# Altium PCB Spektrop2_Processor_Board_V1.PcbDoc (part 5 of 5)
Units mm, origin at the board's own origin, x right, y up, seen from the top; angles counter-clockwise.
Board outline 42 x 42 mm, 8 copper layers (TOP, L1-GND, L2, L3-1V8, L4-PWR, L5, L6-P2V5, BTM), stack 1.588 mm thick; 270 components, 225 nets, 1404 pads, 753 vias.
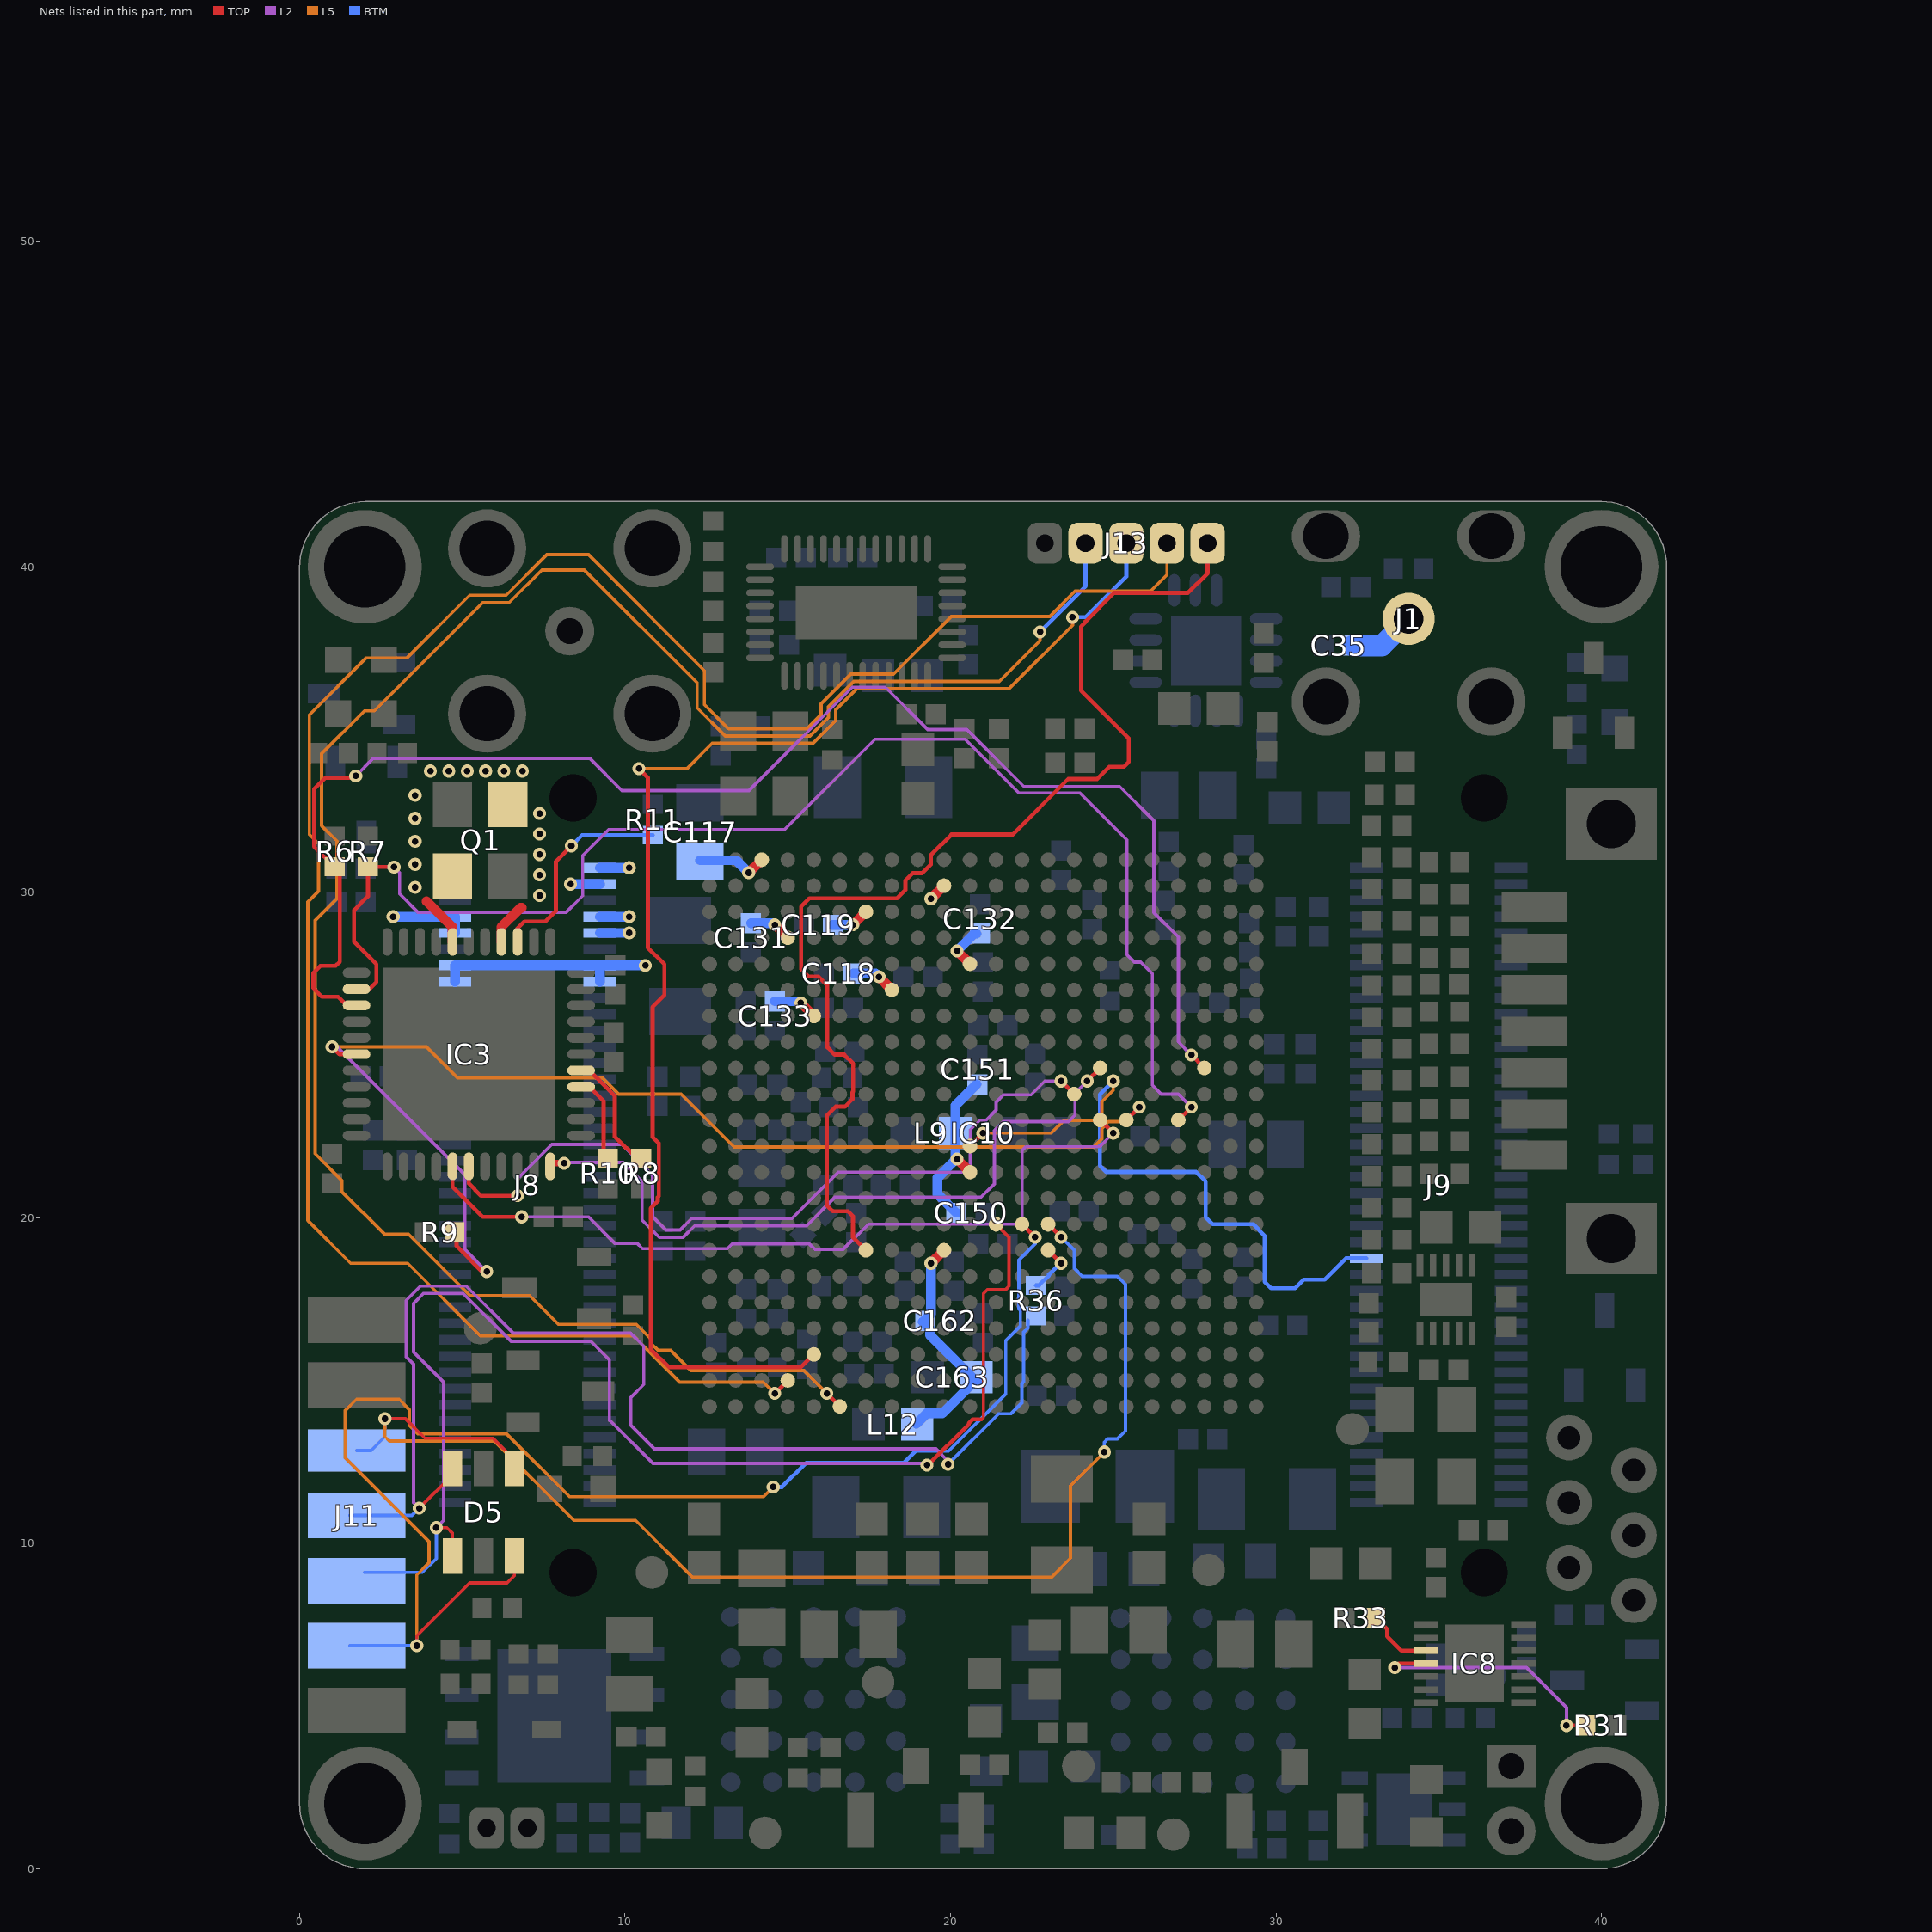
[diagram p11: the nets of this part, all layers, seen from the top]

## Via types
v1: diameter 0.4, hole 0.2, TOP to BTM, tented both sides, 747 vias
v2: diameter 0.4, hole 0.2, TOP to BTM, 6 vias

## Nets (pads, with @x,y where several pads share a name; then routed paths per layer and width w, separated by ;. In a path a pad name is that pad's centre, name@x,y a point inside that pad or via, vN(x,y) a via of type N, cw(c..) or ccw(c..) an arc to the next point about the centre after c; other vN are vias at no path point) (continued)
SDO_P: C35.1 J1.1 | length 2
  BTM w0.65: C35.1@32.375,37.575 33.25,37.575 J1.1@34.075,38.4
SI5340_I2C_SEL: IC3.38 R8.2 | length 3.6
  TOP w0.125: IC3.38@8.55,24.525 IC3.38@8.65,24.525 8.902,24.525 9.685,23.742 9.685,22.482 10.03,22.137 10.063,22.137 R8.2@10.3,21.9
SI5340_IN_SEL0: IC3.3 R11.1 | length 6.7
  TOP w0.125: IC3.3@6.7,28.375 IC3.3@6.7,28.475 6.7,28.898 6.902,29.1 7.55,29.1 7.875,29.425 7.875,30.95 v1(8.35,31.425)
  BTM w0.125: v1(8.35,31.425) 8.68,31.755 R11.1@10.85,31.755
SI5340_IN_SEL1: IC3.37 R10.1 | length 2.8
  TOP w0.125: IC3.37@8.55,24.025 IC3.37@8.65,24.025 8.902,24.025 9.343,23.584 9.343,21.953 R10.1@9.471,21.825
SI5340_LOS_XAXBb: IC3.28 IC10.N8 | length 24.9
  TOP w0.125: IC3.28@5.2,21.575 5.2,21.05 5.575,20.675 v1(6.7,20.675) ; v1(23.399,24.2) IC10.N8@23.799,23.8
  L2 w0.1: v1(6.7,20.675) 6.7,21.2 7.75,22.25 9.9,22.25 10.85,21.3 10.85,20.033 11.258,19.625 11.693,19.625 12.043,19.975 15.125,19.975 16.55,21.4 20.45,21.4 20.6,21.55 20.6,22.695 20.905,23 21.095,23 21.4,23.305 21.4,23.55 21.625,23.775 22.475,23.775 22.9,24.2 v1@23.399,24.2
SI5340_nINTR: IC3.33 IC10.P7 | length 22.1
  TOP w0.125: v1(24.199,24.2) IC10.P7@24.599,24.6
  TOP w0.2: IC3.33@7.7,21.675 v1(8.127,21.675)
  L2 w0.1: v1(8.127,21.675) 8.152,21.7 9.938,21.7 10.525,21.113 10.525,19.925 11.05,19.4 11.787,19.4 12.136,19.75 15.575,19.75 16.461,20.636 20.946,20.636 21.349,21.039 21.349,22.675 21.623,22.95 23.625,22.95 23.825,23.15 23.825,23.825 v1(24.199,24.2)
Si5340_nLOL: IC3.27 IC10.M7 | length 25.2
  TOP w0.125: IC3.27@4.7,21.675 IC3.27@4.7,21.575 4.7,20.95 5.625,20.025 v1(6.825,20.025) ; IC10.M7@24.599,23 v1(24.999,22.6)
  L2 w0.1: v1(6.825,20.025) 8.875,20.025 9.685,19.215 10.368,19.215 10.534,19.05 13.144,19.05 13.295,19.2 15.658,19.2 15.833,19.025 16.7,19.025 17.474,19.799 22.049,19.799 22.2,19.95 22.2,22.065 22.316,22.181 24.041,22.181 ; 24.047,22.175 24.041,22.181 ; v1(24.999,22.6) 24.58,22.181 24.041,22.181
SI5340_nRST: IC3.17 IC10.M6 R9.2 | length 38.8
  TOP w0.125: v1@1,25.25 v1(0.999,25.249) 1.223,25.025 IC3.17@1.75,25.025 ; R9.2@4.825,19.55 4.825,19.125 5.6,18.35 v1(5.75,18.35) ; IC10.M6@25.399,23 v1(25.799,23.4)
  L2 w0.1: v1(0.999,25.249) 1.151,25.249 5.075,21.325 5.075,19.025 v1(5.75,18.35)
  L5 w0.1: v1(0.999,25.249) 3.899,25.249 4.848,24.3 9.301,24.3 9.801,23.8 11.725,23.8 13.35,22.175 24.4,22.175 24.649,22.424 24.649,22.745 24.854,22.95 25.349,22.95 v1(25.799,23.4)
SI5340_SCL: IC3.14 IC10.P3 R6.2 | length 46.2
  TOP w0.125: R6.2@1.075,30.78 0.45,31.405 0.45,33.175 0.788,33.513 1.588,33.513 1.675,33.6 1.7,33.575 v1(1.725,33.575) ; R6.2@1.238,30.617 1.238,27.864 1.111,27.738 0.638,27.738 0.425,27.525 0.425,27.05 0.687,26.788 1.187,26.788 1.45,26.525 IC3.14@1.75,26.525 ; v1(27.4,25) IC10.P3@27.799,24.6
  L2 w0.1: v1(1.725,33.575) 2.26,34.11 8.915,34.11 9.9,33.125 13.805,33.125 16.98,36.3 18,36.3 19.3,35 20.5,35 22.25,33.25 25.2,33.25 26.25,32.2 26.25,29.375 27,28.625 27,25.4 v1(27.4,25)
SI5340_SDA: IC3.13 IC10.M4 R7.2 | length 43.2
  TOP w0.125: IC3.13@1.75,27.025 2.15,27.025 2.362,27.237 2.362,27.788 1.675,28.475 1.675,29.45 2.1,29.875 R7.2@2.1,30.78 ; R7.2@2.125,30.755 R7.2@2.1,30.78 ; v1(2.9,30.775) 2.895,30.78 R7.2@2.1,30.78 ; IC10.M4@26.999,23 v1(27.399,23.4)
  L2 w0.1: v1(2.9,30.775) 3.075,30.6 3.075,29.95 3.65,29.375 8.182,29.375 8.7,29.893 8.7,31.125 9.5,31.925 14.905,31.925 17.68,34.7 20.45,34.7 22.1,33.05 23.975,33.05 25.424,31.601 25.424,28.08 25.654,27.85 25.844,27.85 26.2,27.494 26.2,24.075 26.475,23.8 26.999,23.8 v1(27.399,23.4)
TCK: D5.1 IC10.H11 J11.6 | length 40.3
  TOP w0.1: v1(4.2,10.475) 4.525,10.475 4.7,10.3 D5.1@4.7,9.6 ; 20.95,13.805 21.01,13.866 21.01,17.67 21.128,17.787 21.687,17.787 21.8,17.9 21.8,19.399 IC10.H11@21.399,19.8
  TOP w0.125: v1(19.275,12.4) 19.311,12.4 20.559,13.648 20.559,13.684 20.68,13.805 20.95,13.805
  L2 w0.1: v1(4.2,10.475) 4.425,10.7 4.425,14.95 3.5,15.875 3.5,17.368 3.807,17.675 5.025,17.675 6.5,16.2 8.95,16.2 9.519,15.631 9.519,13.775 9.53,13.775 10.856,12.449 19.226,12.449 v1(19.275,12.4) v1@19.275,12.419
  BTM w0.1: J11.6@2,9.1 3.775,9.1 4.2,9.525 v1(4.2,10.475)
TDI: D5.4 IC10.H9 J11.10 | length 42.8
  TOP w0.1: v1(2.625,13.825) 3.25,13.825 3.85,13.225 5.95,13.225 6.6,12.575 D5.4@6.6,12.3
  TOP w0.125: IC10.H9@22.999,19.8 v1(23.399,19.4)
  L5 w0.1: v1(2.625,13.825) 2.625,13.275 2.763,13.137 5.988,13.137 8.425,10.7 10.325,10.7 12.075,8.95 23.1,8.95 23.688,9.538 23.688,11.763 v1(24.725,12.8)
  BTM w0.1: J11.10@1.75,12.85 2.2,12.85 2.625,13.275 v1(2.625,13.825) ; v1@23.4,19.4 23.8,19 23.8,18.45 24.05,18.2 25.129,18.2 25.375,17.954 25.375,17.625 ; v1(24.725,12.8) 24.725,13.1 24.825,13.2 25.125,13.2 25.374,13.449 25.374,17.626
  BTM w0.125: v1(23.399,19.4) v1@23.4,19.4
TDO: D5.6 J11.8 R36.1 | length 37.2
  TOP w0.1: v1(3.675,11.075) 4.7,12.1 D5.6@4.7,12.3
  L2 w0.1: v1(3.675,11.075) 3.5,11.25 3.5,15.5 3.275,15.725 3.275,17.461 3.714,17.9 5.118,17.9 6.568,16.45 10.175,16.45 10.575,16.05 10.575,14.875 10.175,14.475 10.175,13.625 10.9,12.9 19.55,12.9 19.925,12.525 v1(19.925,12.425)
  BTM w0.1: J11.8@1.55,10.85 3.45,10.85 v1(3.675,11.075) ; v1(19.925,12.425) 21.474,13.974 21.849,13.974 22.19,14.315 22.19,14.897 22.249,14.956 22.249,16.479 22.375,16.605 R36.1@22.375,16.85
TDO_R: IC10.G9 R36.2 | length 1.6
  TOP w0.125: IC10.G9@22.999,19 v1(23.399,18.6)
  BTM w0.125: R36.2@22.625,17.92 22.72,17.92 23.028,18.228 23.028,18.262 v1@23.33,18.565
  BTM w0.2: v1@23.33,18.565 v1(23.399,18.6)
TMS: D5.3 IC10.H10 J11.4 | length 44.2
  TOP w0.1: v1(3.6,6.85) 3.6,7.15 5.225,8.775 6.375,8.775 6.6,9 D5.3@6.6,9.6
  TOP w0.125: IC10.H10@22.199,19.8 v1(22.599,19.4)
  L5 w0.1: v1(3.6,6.85) 3.6,9.025 3.975,9.4 3.975,10.05 1.4,12.625 1.4,14.075 1.75,14.425 3.05,14.425 3.372,14.103 3.372,13.628 3.638,13.363 6.356,13.363 8.293,11.425 14.25,11.425 v1(14.55,11.725)
  BTM w0.1: J11.4@1.55,6.85 v1(3.6,6.85) ; 18.925,12.825 19.935,12.825 21.7,14.59 21.7,16.225 22.149,16.674 22.149,17.145 22.1,17.194 22.1,18.7 22.599,19.199 v1(22.599,19.4)
  BTM w0.125: v1(14.55,11.725) 14.821,11.725 15.567,12.471 18.571,12.471 18.925,12.825
UART0_RX: IC10.G16 J13.1 | length 35.4
  TOP w0.125: IC10.G16@17.399,19 17,19.399 17,20.05 16.85,20.2 16.375,20.2 16.2,20.375 16.2,23.148 16.464,23.412 16.76,23.412 16.987,23.639 16.987,23.85 17.012,23.875 17.012,24.735 16.735,25.012 16.439,25.012 16.212,25.239 16.212,27.138 15.938,27.412 15.639,27.412 15.412,27.639 15.412,29.56 15.664,29.812 18.36,29.812 18.612,30.064 18.612,30.36 18.839,30.587 19.135,30.587 19.4,30.852 19.4,31.148 20.027,31.775 21.912,31.775 23.619,33.482 24.505,33.482 24.877,33.854 25.329,33.854 25.475,34 25.475,34.733 24.013,36.195 24.013,38.165 24.138,38.289 24.138,38.313 25.025,39.2 27.3,39.2 27.9,39.8 J13.1@27.9,40.725
UART0_TX: IC10.B19 J13.2 | length 67.3
  TOP w0.125: v1(14.599,14.6) IC10.B19@14.999,15
  L5 w0.1: v1(14.599,14.6) 14.249,14.95 11.676,14.95 10.251,16.375 5.55,16.375 3.325,18.6 1.567,18.6 0.25,19.917 0.25,29.7 0.585,30.035 0.585,31.49 0.3,31.775 0.3,35.45 2.05,37.2 3.3,37.2 5.225,39.125 6.35,39.125 7.6,40.375 8.875,40.375 12.44,36.81 12.44,35.76 13.175,35.025 15.589,35.025 16.025,35.461 16.025,35.792 16.933,36.7 18.25,36.7 20.025,38.475 23.05,38.475 23.825,39.25 26.15,39.25 26.65,39.75 J13.2@26.65,40.725
UART1_RX: IC10.A17 J13.4 | length 64.3
  TOP w0.125: v1(16.2,14.6) IC10.A17@16.6,14.201
  L5 w0.1: v1(16.2,14.6) 15.499,15.3 12.025,15.3 11.4,15.925 11.02,15.925 10.8,16.145 10.8,16.268 10.343,16.725 7.95,16.725 7.075,17.6 5.239,17.6 3.339,19.5 2.6,19.5 1.3,20.8 1.3,21.143 0.475,21.968 0.475,29.132 1.15,29.807 1.15,31.568 0.675,32.043 0.675,34.255 1.995,35.575 2.3,35.575 5.625,38.9 6.443,38.9 7.443,39.9 8.75,39.9 12.215,36.435 12.215,35.667 13.082,34.8 15.682,34.8 16.25,35.368 16.25,35.699 17.026,36.475 21.5,36.475 22.75,37.725 v1(22.75,38)
  BTM w0.125: v1(22.75,38) 24.15,39.4 J13.4@24.15,40.725
UART1_TX: IC10.C18 J13.3 | length 42.7
  TOP w0.125: v1(10.425,33.8) 10.7,33.525 10.7,28.3 11.213,27.787 11.213,26.838 10.845,26.47 10.845,22.48 11.035,22.29 11.035,20.665 11.006,20.636 11.006,20.511 10.788,20.292 10.788,15.962 11.35,15.4 15.4,15.4 IC10.C18@15.799,15.8
  L5 w0.1: v1(10.425,33.8) 11.9,33.8 12.675,34.575 15.775,34.575 16.475,35.275 16.475,35.605 17.12,36.25 21.8,36.25 23.75,38.2 v1(23.75,38.45)
  BTM w0.125: v1(23.75,38.45) 24.15,38.45 25.4,39.7 J13.3@25.4,40.725
UART_FPGA_nRE: IC8.4 R31.2 | length 7.9
  TOP w0.125: v1(33.65,6.175) 33.775,6.3 IC8.4@34.6,6.3 ; v1(38.925,4.4) R31.2@39.53,4.4
  L2 w0.1: v1(33.65,6.175) 37.7,6.175 38.925,4.95 v1(38.925,4.4)
UART_FPGA_TX_DE: IC8.3 R33.1 | length 2.1
  TOP w0.125: R33.1@33.07,7.7 33.412,7.358 33.412,7.139 33.852,6.7 IC8.3@34.6,6.7
VCC_ADC: C150.1 C151.1 IC10.K12 L9.1 | length 5.3
  TOP w0.3: v1(20.199,21.8) IC10.K12@20.599,21.4
  BTM w0.3: L9.1@20.149,22.6 v1@20.149,21.85 ; L9.1@20.15,22.6 20.15,23.45 C151.1@20.8,24.1 ; C150.1@20.175,20.15 19.6,20.725 19.6,21.225 20.149,21.774 v1@20.149,21.85 ; v1(20.199,21.8) v1@20.149,21.85
VCCO_13: C117.1 C118.1 C119.1 C131.1 C132.1 C133.1 IC10.AA13 IC10.AB20 IC10.T18 IC10.U15 IC10.V12 IC10.W19 IC10.Y16 J8.1 J8.3 J8.7 J8.8 J8.9 J8.10 J8.13 J8.14 J8.15 J8.16 | length 22.3
  TOP w0.3: v1(13.799,30.6) IC10.AB20@14.199,31 ; v1(14.599,29) IC10.W19@14.999,28.6 ; v1(15.399,26.6) IC10.T18@15.799,26.2 ; v1(16.999,29) IC10.Y16@17.399,29.4 ; v1(17.799,27.4) IC10.U15@18.199,27 ; v1(19.399,29.8) IC10.AA13@19.799,30.2 ; v1(20.199,28.2) IC10.V12@20.599,27.8
  BTM w0.125: v1@16.99,28.991 v1(16.999,29)
  BTM w0.3: v1(2.875,29.25) J8.8@4.775,29.25 J8.10@4.775,28.75 ; J8.16@4.775,27.25 J8.14@4.775,27.75 J8.13@9.225,27.75 ; v1(8.325,30.25) J8.3@9.225,30.25 ; J8.15@9.225,27.25 J8.13@9.225,27.75 ; J8.9@9.225,28.75 v1(10.125,28.75) ; J8.7@9.225,29.25 v1(10.125,29.25) ; J8.1@9.225,30.75 v1(10.125,30.75) ; v1(10.625,27.75) J8.13@9.225,27.75 ; C117.1@12.3,30.982 13.417,30.982 v1(13.799,30.6) ; C131.1@13.869,29.05 14.549,29.05 v1(14.599,29) ; C133.1@14.599,26.65 15.349,26.65 v1(15.399,26.6) ; C119.1@16.386,28.991 v1@16.99,28.991 ; C118.1@17.024,27.5 17.699,27.5 v1(17.799,27.4) ; v1(20.199,28.2) 20.725,28.725 C132.1@20.8,28.725
VCCPLL: C162.1 C163.1 IC10.G13 L12.2 | length 7.4
  TOP w0.3: v1(19.399,18.6) IC10.G13@19.799,19
  BTM w0.3: L12.2@18.95,13.668 19.267,13.985 19.746,13.985 20.01,14.248 C163.1@20.762,15 ; v1(19.399,18.6) 19.399,17.05 19.149,16.8 19.374,16.574 19.374,16.388 C163.1@20.762,15 ; C163.1@20.85,15 C163.1@20.762,15
XTAL_GND: IC3.4 IC3.7 Q1.2 Q1.4 | length 2.9
  TOP w0.125: IC3.7@4.675,28.4 IC3.7@4.7,28.375
  TOP w0.3: 3.9,29.725 4.7,28.925 IC3.7@4.7,28.475 ; IC3.4@6.2,28.475 6.2,28.934 6.791,29.525 6.825,29.525
  other v1: 7.375,29.9 3.55,30.15 7.375,30.53 3.55,30.856 7.375,31.16 3.55,31.562 7.375,31.79 3.55,32.269 7.375,32.42 3.55,32.975 4.02,33.725 4.585,33.725 5.15,33.725 5.715,33.725 6.28,33.725 6.845,33.725
ZYNQ_ADC: IC10.L12 J9.50 | length 20
  TOP w0.125: IC10.L12@20.599,22.2 v1(20.999,22.6)
  L5 w0.1: v1(20.999,22.6) 23.093,22.6 23.487,22.993 24.425,22.993 24.649,23.217 24.649,23.567 24.999,23.917 v1(24.999,24.2)
  BTM w0.125: v1(24.999,24.2) 24.592,23.792 24.592,21.602 24.79,21.404 27.551,21.404 27.837,21.118 27.837,20.013 28.05,19.8 29.3,19.8 29.65,19.45 29.65,18.037 29.852,17.835 30.581,17.835 30.846,18.1 31.5,18.1 32.15,18.75 J9.50@32.775,18.75
pads on no net: D6.2 IC2.5 IC2.6 IC2.7 IC2.15 IC2.16 IC3.1 IC3.2 IC3.10 IC3.11 IC3.12 IC3.22 IC3.29 IC3.30 IC3.31 IC3.34 IC3.35 IC3.36 IC3.41 IC3.42 IC3.43 IC3.44 IC4.A5 IC4.B4 IC4.C3 IC4.C4 IC4.E5 IC5.A5 IC5.B4 IC5.C3 IC5.D4 IC5.E5 IC8.7 IC9.2 IC9.3 IC9.9 IC9.22 IC9.23 IC10.A9 IC10.A10 IC10.A11 IC10.A12 IC10.A14 IC10.A15 IC10.A16 IC10.AA11 IC10.AA12 IC10.AA14 IC10.AA15 IC10.AA16 IC10.AA17 IC10.AA19 IC10.AA20 IC10.AA21 IC10.AA22 IC10.AB11 IC10.AB12 IC10.AB13 IC10.AB14 IC10.AB16 IC10.AB17 IC10.AB18 IC10.AB19 IC10.AB21 IC10.AB22 IC10.B9 IC10.B11 IC10.B12 IC10.B13 IC10.B14 IC10.B16 IC10.B17 IC10.B21 IC10.B22 IC10.C9 IC10.C10 IC10.C11 IC10.C13 IC10.C15 IC10.C16 IC10.C19 IC10.C20 IC10.C21 IC10.D10 IC10.D11 IC10.D12 IC10.D13 IC10.D15 IC10.D16 IC10.D17 IC10.D20 IC10.D21 IC10.D22 IC10.E4 IC10.E9 IC10.E10 IC10.E12 IC10.E13 IC10.E14 IC10.E15 IC10.E17 IC10.E20 IC10.E22 IC10.F1 IC10.F2 IC10.F4 IC10.F9 IC10.F10 IC10.F11 IC10.F12 IC10.F14 IC10.F15 IC10.F19 IC10.F20 IC10.F21 IC10.F22 IC10.G1 IC10.G2 IC10.G4 IC10.G11 IC10.G17 IC10.G18 IC10.G19 IC10.G21 IC10.G22 IC10.H1 IC10.H5 IC10.H6 IC10.H16 IC10.H18 IC10.H19 IC10.H20 IC10.H21 IC10.J16 IC10.J17 IC10.J18 IC10.J20 IC10.J21 IC10.J22 IC10.K17 IC10.K18 IC10.K19 IC10.K20 IC10.K22 IC10.L16 IC10.L17 IC10.L19 IC10.L20 IC10.L21 IC10.L22 IC10.M16 IC10.M17 IC10.M18 IC10.M19 IC10.M21 IC10.M22 IC10.N16 IC10.N18 IC10.N19 IC10.N20 IC10.N21 IC10.P16 IC10.P17 IC10.P18 IC10.P20 IC10.P21 IC10.P22 IC10.R17 IC10.R18 IC10.R19 IC10.R20 IC10.R22 IC10.T17 IC10.T19 IC10.T20 IC10.T21 IC10.T22 IC10.U13 IC10.U14 IC10.U16 IC10.U17 IC10.U18 IC10.U19 IC10.U21 IC10.U22 IC10.V16 IC10.V18 IC10.V19 IC10.V20 IC10.V21 IC10.W16 IC10.W17 IC10.W18 IC10.W20 IC10.W21 IC10.W22 IC10.Y12 IC10.Y13 IC10.Y14 IC10.Y15 IC10.Y17 IC10.Y18 IC10.Y19 IC10.Y20 IC10.Y22 IC11.6 IC12.9 IC13.5 J8.2 J8.4 J8.6 J8.81 J8.82 J9.81 J9.82 J11.12 J11.14

## Polygon pours and split planes (outlines as drawn)
P3V3 on BTM "BTM_P3V3" (solid, pour order 124): 32.875,3.65 32.875,0.65 30.725,0.65 30.725,2.275 32.1,3.65
P1V8 on BTM "BTM_P1V8" (solid, pour order 96): 28.925,9.96 28.925,11 29.575,11 29.575,13.575 27,13.575 27,9.96
P1V8_L on BTM "BTM_P1V2" (solid, pour order 58): 24.802,7.06 26.755,7.06 26.755,9.96 24.802,9.96
GND on BTM "BTM_GND" (solid, remove dead copper, pour order 52): 26.886,9.96 28.681,9.96 28.681,9.775 28.681,5.66 26.886,5.66
P12V0 on BTM "BTM_P12V" (solid, remove dead copper, pour order 48): 22.9,5.794 23.6,6.494 23.6,6.769 24.585,6.776 25.855,6.776 27.76,4.871 29.665,6.776 30.935,6.776 31.874,6.771 31.88,4.205 31.566,3.89 23.954,3.89 23.686,4.158 21.84,4.158 21.84,5.794
GND on BTM "BTM_GND" (solid, remove dead copper, pour order 50): 24.585,7.144 21.545,7.144 21.545,9.96 24.585,9.96
GND on BTM "BTM_GND" (solid, remove dead copper, pour order 38): 21.545,6.802 21.545,5.395 20.24,5.395 20.24,8.271 18.695,8.277 18.695,10 21.545,10
P12V0 on BTM "BTM_P12V" (solid, remove dead copper, pour order 22): 11.625,6.81 11.625,4.198 11.721,4.198 12.659,3.26 18.931,3.26 20.246,4.575 20.24,6.809 18.97,6.816 17.7,6.816 15.795,4.911 13.89,6.816 12.62,6.816
GND on BTM "BTM_GND" (solid, remove dead copper, pour order 20): 14.921,10 16.6,10 16.6,5.7 14.921,5.7
P1V0_L on BTM "BTM_P1V0_L" (solid, pour order 14): 18.595,8.3 20.15,8.3 20.15,7.1 19.825,7.1 18.325,7.1 16.68,7.1 16.68,10 18.595,10
P3V3 on BTM "BTM_P3V3" (solid, pour order 134): 32.4,10.75 34.375,10.75 34.375,8.15 34.4,8.125 32.4,8.125
P3V3_L on BTM "BTM_P1V2" (solid, pour order 54): 31.85,10.725 31.85,7.06 28.78,7.06 28.78,10.725
P2V5 on BTM "BTM_P2V5" (solid, pour order 130): 38.525,5.25 36.025,5.25 36.025,3.175 38.525,3.175
P1V2 on BTM "BTM_P1V2" (solid, pour order 6): 11.75,7.925 11.75,7.1 13.025,7.1 14.79,7.1 14.79,10 11.75,10
P1V0 on BTM "BTM_P1V0" (solid, remove dead copper, pour order 80): 19.7,11.8 21.271,13.371 24.4,13.371 24.4,10.25 19.7,10.25
GND on TOP "TOP_GND" (solid, pour order 100): 14.925,9.875 14.925,7.875 14.85,7.8 14.83,7.82 13.175,7.82 12.975,7.62 12.975,6.125 16.675,6.125 16.675,9.875
P12V0 on TOP "TOP_P12V0" (solid, remove dead copper, pour order 42): 8.875,6.275 12.796,6.275 12.796,4.65 8.875,4.65
GND on TOP "TOP_GND" (solid, remove dead copper, pour order 40): 9.125,7.425 10.275,8.575 11.35,8.575 11.35,6.25 9.125,6.25
P3V3 on TOP "TOP_P3V3" (solid, remove dead copper, pour order 68): 34.375,10.75 34.375,8.225 32.4,8.225 32.4,10.75
P3V3_L on TOP "TOP_P1V2" (solid, remove dead copper, pour order 72): 31.725,10.75 32.05,10.75 32.2,10.6 32.2,8.875 31.9,8.575 31.725,8.4 31.725,5.785 29.475,5.785 29.475,8.075 28.8,8.075 28.8,10.75
P1V8 on TOP "TOP_P1V2" (solid, remove dead copper, pour order 74): 28.661,11.975 28.261,11.975 27.861,11.575 27.861,10.15 25,10.15 25,12.75 28.661,12.75
P1V2 on TOP "TOP_P1V2" (solid, remove dead copper, pour order 8): 14.75,8 13.355,8 13.025,7.67 13.025,6.4 11.375,6.4 11.375,9.875 14.201,9.875 14.75,9.323
MGTAVCC on TOP "TOP_P1V2" (solid, remove dead copper, pour order 26): 18.315,10.125 14.925,10.125 14.925,12.5 18.315,12.5
GND on TOP "TOP_GND" (solid, remove dead copper, pour order 30): 22.2,8.425 20.24,8.425 20.24,6.523 20.24,5.26 22.2,5.26
P12V0 on TOP "TOP_P12V0" (solid, remove dead copper, pour order 44): 18.629,6.804 18.629,5.431 20.3,3.76 21.6,3.76 21.6,5.26 20.24,5.26 20.24,6.263 19.699,6.804
GND on TOP "TOP_GND" (solid, remove dead copper, pour order 66): 24.85,9.875 24.85,6.3 21.604,6.3 21.604,9.875
P1V8_L on TOP "TOP_P1V2" (solid, remove dead copper, pour order 76): 24.965,8.31 24.965,9.875 26.715,9.875 26.715,5.845 26.715,5.81 26.65,5.81 24.965,5.81
XTAL_GND on TOP "TOP_XTAL_GND" (solid, pour order 108): 4.525,28.925 3.375,30.075 3.375,33.425 3.825,33.875 6.9,33.875 7.575,33.2 7.575,29.7 7.2,29.325 6.775,29.325 6.45,29 6.1,29 6.625,29.525 6.625,32.55 5.9,33.275 4.375,33.275 4.2,33.1 4.2,30.45 4.7,29.95 4.7,28.925
P1V0 on TOP "BTM_P1V0" (solid, remove dead copper, pour order 28): 18.494,11.975 20,11.975 20.775,12.75 24.4,12.75 24.4,10.125 18.484,10.125
P1V0_L on TOP "TOP_P1V0_L" (solid, remove dead copper, pour order 102): 20.075,8.15 21.59,8.15 21.59,9.875 16.75,9.875 16.75,6.3 20.075,6.3
MGTAVTT on TOP "TOP_P1V2" (solid, remove dead copper, pour order 92): 14.75,12 14.75,10.125 11.668,10.125 11.668,10.943 12.725,12
P1V2 on TOP "TOP_P1V2" (solid, pour order 132): 27.625,36.25 27.625,33.7 29.175,33.7 29.175,36.25
P12V0 on TOP "TOP_P12V0" (solid, remove dead copper, pour order 78): 29.1,3.76 25.878,3.76 24.978,4.66 22.498,4.66 22.498,6.2 24.825,6.2 24.825,5.55 30.625,5.55 30.625,6.05 31.025,6.05 31.855,5.22 33.475,5.22 33.475,3.76 30.99,3.76
P1V2_F on L5 "L5_P1V2_F" (solid, pour order 112): 26.925,36.725 26.925,38.636 27.814,39.525 30.15,39.537 30.15,35.875 29.425,35.15 25.25,35.15 25.25,36.725
VCCO_13 on L5 "L5_VCCO13" (solid, pour order 90): 7.35,27.475 13.225,27.475 14.4,26.3 21.062,26.3 21.062,30.034 21.028,30 15.5,30 14.6,30.9 7.775,30.9 7.775,29.494 3.856,29.494 2.375,29.494 2.375,27.475
GND on L2 "L2_GND" (solid, pour order 118): 4.5,42 4.5,34.25 12.25,34.25 12.25,42
P1V8 on L3-1V8 "L3_P1V8" (solid, remove dead copper, pour order 2): -0.228,42 41.96,42 41.96,1.685 40.375,0.1 0.272,0.1
XTAL_GND on L1-GND (split plane): 7.571,33.196 7.571,29.929 7.396,29.754 3.729,29.754 3.329,30.154 3.329,33.146 4.029,33.846 6.921,33.846
GND on L1-GND (split plane): 2.025,41.49 5.25,41.49 5.25,34.75 13.25,34.75 13.25,37 14.5,37 14.5,38.25 13,38.25 13,41.49 31.254,41.49 30.925,41.161 30.925,38.848 30.171,38.15 29.075,38.15 29.075,36.75 30.2,36.75 31.09,35.86 36.615,35.86 36.615,41.49 40,41.49 40.015,41.491 40.167,41.482 40.332,41.454 40.493,41.408 40.647,41.344 40.794,41.263 40.93,41.166 41.055,41.055 41.166,40.93 41.263,40.794 41.344,40.647 41.408,40.493 41.454,40.332 41.482,40.167 41.491,40.015 41.49,40 41.49,2 41.491,1.985 41.482,1.833 41.454,1.668 41.408,1.507 41.344,1.353 41.263,1.206 41.166,1.07 41.055,0.945 40.93,0.834 40.794,0.737 40.647,0.656 40.493,0.592 40.332,0.546 40.167,0.518 40.015,0.509 40,0.51 2,0.51 1.985,0.509 1.833,0.518 1.668,0.546 1.507,0.592 1.353,0.656 1.206,0.737 1.07,0.834 0.945,0.945 0.834,1.07 0.737,1.206 0.656,1.353 0.592,1.507 0.546,1.668 0.518,1.833 0.509,1.985 0.51,2 0.51,39.975 0.509,39.99 0.518,40.145 0.546,40.313 0.593,40.476 0.658,40.633 0.741,40.782 0.839,40.921 0.952,41.048 1.079,41.161 1.218,41.259 1.367,41.342 1.524,41.407 1.687,41.454 1.855,41.482 2.01,41.491
P2V5 on L6-P2V5 (split plane): 2.025,41.49 31.254,41.49 30.925,41.161 30.925,38.848 30.171,38.15 29.075,38.15 29.075,36.75 30.2,36.75 31.09,35.86 36.615,35.86 36.615,41.49 40,41.49 40.015,41.491 40.167,41.482 40.332,41.454 40.493,41.408 40.647,41.344 40.794,41.263 40.93,41.166 41.055,41.055 41.166,40.93 41.263,40.794 41.344,40.647 41.408,40.493 41.454,40.332 41.482,40.167 41.491,40.015 41.49,40 41.49,2 41.491,1.985 41.482,1.833 41.454,1.668 41.408,1.507 41.344,1.353 41.263,1.206 41.166,1.07 41.055,0.945 40.93,0.834 40.794,0.737 40.647,0.656 40.493,0.592 40.332,0.546 40.167,0.518 40.015,0.509 40,0.51 2,0.51 1.985,0.509 1.833,0.518 1.668,0.546 1.507,0.592 1.353,0.656 1.206,0.737 1.07,0.834 0.945,0.945 0.834,1.07 0.737,1.206 0.656,1.353 0.592,1.507 0.546,1.668 0.518,1.833 0.509,1.985 0.51,2 0.51,39.975 0.509,39.99 0.518,40.145 0.546,40.313 0.593,40.476 0.658,40.633 0.741,40.782 0.839,40.921 0.952,41.048 1.079,41.161 1.218,41.259 1.367,41.342 1.524,41.407 1.687,41.454 1.855,41.482 2.01,41.491
MGTAVCC on L4-PWR (split plane): 24.611,29.373 24.644,29.351 24.683,29.344 30.073,29.344 30.098,29.349 30.098,27.729 29.34,26.972 29.318,26.939 29.31,26.9 29.31,26.152 16.975,26.152 16.936,26.144 16.903,26.122 16.881,26.089 16.873,26.05 16.873,17.775 16.881,17.736 16.903,17.703 17.198,17.408 17.198,15.01 17.198,13.716 17.206,13.677 17.228,13.644 18.298,12.574 18.298,10.935 18.298,9.937 15.077,9.937 15.077,11.18 15.069,11.219 15.047,11.252 12.402,13.897 12.402,28.008 14.867,30.473 23.511,30.473
P1V0 on L4-PWR (split plane): 29.31,23.4 29.31,18.805 25.727,15.221 25.705,15.188 25.697,15.149 25.697,12.641 23.85,10.794 22.993,9.937 18.502,9.937 18.502,10.935 18.502,12.616 18.494,12.655 18.472,12.688 17.402,13.758 17.402,15.01 17.402,17.45 17.394,17.489 17.372,17.522 17.077,17.817 17.077,25.948 29.31,25.948
P1V2 on L4-PWR (split plane): 31.153,32.978 33.599,30.531 33.599,30.299 33.599,16.844 31.142,14.386 31.12,14.353 31.112,14.314 31.112,12.556 26.709,8.153 12.556,8.153 12.556,9.706 12.55,9.733 23.035,9.733 23.074,9.741 23.107,9.763 23.994,10.65 25.871,12.527 25.893,12.56 25.901,12.599 25.901,15.107 29.485,18.69 29.507,18.723 29.514,18.762 29.514,26.068 29.514,26.857 30.272,27.615 30.294,27.648 30.302,27.687 30.302,31.435 30.294,31.474 30.272,31.507 29.797,31.982 29.764,32.004 29.725,32.012 28.207,32.012 27.852,32.367 27.852,34.723 29.408,34.723
P12V0 on L4-PWR (split plane): 31.898,4.492 30.828,3.422 30.806,3.389 30.798,3.35 30.798,0.51 2,0.51 1.985,0.509 1.833,0.518 1.668,0.546 1.507,0.592 1.353,0.656 1.206,0.737 1.07,0.834 0.945,0.945 0.834,1.07 0.737,1.206 0.656,1.353 0.592,1.507 0.546,1.668 0.518,1.833 0.509,1.985 0.51,2 0.51,6.473 31.898,6.473
MGTAVTT on L4-PWR (split plane): 27.648,32.325 27.656,32.286 27.678,32.253 28.093,31.838 28.126,31.816 28.126,31.4 28.425,31.399 28.425,31.808 29.683,31.808 30.098,31.393 30.098,29.543 30.073,29.548 24.725,29.548 23.626,30.647 23.593,30.669 23.554,30.677 14.825,30.677 14.786,30.669 14.753,30.647 12.228,28.122 12.206,28.089 12.198,28.05 12.198,13.855 12.206,13.815 12.228,13.782 14.873,11.137 14.873,9.937 10.832,9.937 8.727,12.042 8.727,21.275 8.727,30.583 12.863,34.719 27.648,34.719
P3V3 on L4-PWR (split plane): 2.025,41.49 31.254,41.49 30.925,41.161 30.925,38.848 30.171,38.15 29.075,38.15 29.075,36.75 30.2,36.75 31.09,35.86 36.615,35.86 36.615,41.49 40,41.49 40.015,41.491 40.167,41.482 40.332,41.454 40.493,41.408 40.647,41.344 40.794,41.263 40.93,41.166 41.055,41.055 41.166,40.93 41.263,40.794 41.344,40.647 41.408,40.493 41.454,40.332 41.482,40.167 41.491,40.015 41.49,40 41.49,2 41.491,1.985 41.482,1.833 41.454,1.668 41.408,1.507 41.344,1.353 41.263,1.206 41.166,1.07 41.055,0.945 40.93,0.834 40.794,0.737 40.647,0.656 40.493,0.592 40.332,0.546 40.167,0.518 40.015,0.509 40,0.51 31.002,0.51 31.002,3.308 32.072,4.378 32.094,4.411 32.102,4.45 32.102,6.575 32.094,6.614 32.072,6.647 32.039,6.669 32,6.677 0.51,6.677 0.51,39.975 0.509,39.99 0.518,40.145 0.546,40.313 0.593,40.476 0.658,40.633 0.741,40.782 0.839,40.921 0.952,41.048 1.079,41.161 1.218,41.259 1.367,41.342 1.524,41.407 1.687,41.454 1.855,41.482 2.01,41.491

## Keep-outs
Keep-Out Layer:
  region: 30.075,41.45 37.75,41.45 37.75,34.7 30.075,34.7

## Other copper
TOP:
  region net P3V3: 37.975,7.5 37.225,7.5 36.925,7.8 36.925,8.35 37.025,8.45 37.675,8.45 37.975,8.15
  region net P1V2_F: 25.175,36.075 25.35,36.25 27.5,36.25 27.5,35 25.625,35 25.175,35.45
  text ".Layer_Name" at 62.97,-13.952 h1.91 r45
  text "1" at 62.811,-18.715 h2.54
L2:
  text ".Layer_Name" at 73.13,-13.952 h1.91 r45
  text "3" at 72.654,-18.715 h2.54
L3-1V8:
  pour cut-out: 3.275,33.875 3.275,29.5 7.525,29.5 7.525,33.875
  pour cut-out: 30.925,38.848 30.925,41.161 31.464,41.7 33.212,41.7 36.615,41.7 36.615,35.86 31.09,35.86 30.2,36.75 29.075,36.75 29.075,38.15 30.171,38.15
  text ".Layer_Name" at 78.505,-13.202 h1.91 r45
  text "4" at 77.734,-18.715 h2.54
L5:
  pour cut-out: 3.275,33.875 3.275,29.75 7.525,29.75 7.525,33.875
  pour cut-out: 30.925,38.848 30.925,41.161 31.464,41.7 33.212,41.7 36.615,41.7 36.615,35.86 31.09,35.86 30.2,36.75 29.175,36.75 29.175,38.15 30.171,38.15
  text ".Layer_Name" at 88.76,-13.353 h1.91 r45
  text "6" at 86.93,-18.765 h2.54
BTM:
  region net P2V5_R: 35.8,2.325 34.95,2.325 34.95,4.1 34.025,4.1 34.025,6.075 35.8,6.075
  region net GND: 34.775,1.925 34.775,3.875 33.1,3.875 33.1,1.825
  text ".Layer_Name" at 102.45,-9.575 h1.91 r45
  text "8" at 94.725,-18.775 h2.54
L1-GND (plane layer: these items are gaps in the copper):
  rectangle: 70.908,-19.985 97.275,-14.905
  rectangle: 60.748,-19.985 65.828,-14.905
  pour cut-out: 19.95,35.575 19.95,33.275 21.925,33.275 21.925,35.575
  pour cut-out: 13,38.25 14.5,38.25 14.5,37 13.25,37 13.25,34.75 5.25,34.75 5.25,41.5 13,41.5
  pour cut-out: 24.275,38.05 24.275,36.55 26.775,36.55 26.775,38.05
  pour cut-out: 30.925,38.848 30.925,41.161 31.464,41.7 33.212,41.7 36.615,41.7 36.615,35.86 31.09,35.86 30.2,36.75 29.075,36.75 29.075,38.15 30.171,38.15
  lines w0.254: 3.2,30.1 3.675,29.625 7.45,29.625 7.7,29.875 7.7,33.25 6.975,33.975 3.975,33.975 3.2,33.2 3.2,30.1
  text ".Layer_Name" at 68.368,-13.635 h1.91 r45
  text "2" at 67.574,-18.715 h2.54
L4-PWR (plane layer: these items are gaps in the copper):
  pour cut-out: 28.126,31.816 28.126,31.4 28.425,31.399 28.425,31.825 28.3,31.95
  pour cut-out: 17.614,34.124 17.614,33.964 17.811,33.964 17.811,34.124
  pour cut-out: 3.275,33.875 3.275,29.7 7.525,29.7 7.525,33.875
  pour cut-out: 30.925,38.848 30.925,41.161 31.464,41.7 33.212,41.7 36.615,41.7 36.615,35.86 31.09,35.86 30.2,36.75 29.075,36.75 29.075,38.15 30.171,38.15
  lines w0.2: -0.175,6.575 12.872,6.575 32,6.575 32,4.45 30.9,3.35 30.9,0.275 32,0.275 ; 12.454,9.706 12.454,8.051 26.751,8.051 31.214,12.514 31.214,14.314 33.701,16.801 33.701,30.299 33.701,30.574 31.225,33.05 29.45,34.825 27.75,34.825 27.75,32.325 28.165,31.91 29.725,31.91 30.2,31.435 30.2,27.687 29.412,26.9 29.412,26.068 29.412,18.762 25.799,15.149 25.799,12.599 23.922,10.722 23.035,9.835 17.3,9.835 18.4,9.835 18.4,10.935 18.4,12.616 17.3,13.716 17.3,15.01 17.3,17.45 16.975,17.775 16.975,26.05 23.45,26.05 24.093,26.05 29.412,26.05 29.412,23.4 ; 14.044,9.835 17.51,9.835 ; 27.75,34.821 12.821,34.821 8.625,30.625 8.625,21.275 8.625,12 10.79,9.835 14.975,9.835 14.975,11.18 12.3,13.855 12.3,28.05 14.825,30.575 23.554,30.575 24.683,29.446 30.073,29.446 ; 31.988,0 32,0.012
  text ".Layer_Name" at 83.66,-13.077 h1.91 r45
  text "5" at 82.655,-18.715 h2.54
L6-P2V5 (plane layer: these items are gaps in the copper):
  rectangle: 93.698,-19.885 97.19,-14.805
  rectangle: 60.748,-19.985 81.068,-14.905
  rectangle: 86.148,-19.985 89.64,-14.905
  pour cut-out: 24.575,38.125 26.675,38.125 26.675,36.725 24.575,36.725
  pour cut-out: 3.275,33.875 3.275,29.5 7.525,29.5 7.525,33.775 7.425,33.875
  pour cut-out: 30.925,38.848 30.925,41.161 31.464,41.7 33.212,41.7 36.615,41.7 36.615,35.86 31.09,35.86 30.2,36.75 29.075,36.75 29.075,38.15 30.171,38.15
  text ".Layer_Name" at 93.84,-13.353 h1.91 r45
  text "7" at 91.055,-18.715 h2.54

## Silkscreen, mask and mechanical layers (free items; w line width, h text height)
Top Overlay:
  pour cut-out: 37.731,41.679 37.731,34.683 30.054,34.683 30.054,41.679
  lines w0.125: 6.9,10.475 6.9,11.425 ; 6.9,11.425 ccw(c6.9,11.425) 6.9,11.425
  lines w0.2: 0.5,34.9 0.5,35 ; 3.4,33.6 3.4,33.7 ; 3.4,34.9 3.4,35
  lines w0.254: 0.4,3.8 0.45,3.8 ; 36.575,18.75 36.6,18.75
  text "UART" at 24.5,37.8 h0.5
  text "RX1" at 22.725,37.775 h0.5 r270
  text "TX1" at 23.675,37.775 h0.5 r270
  text "TX0" at 26.75,37.775 h0.5 r270
  text "RX0" at 27.7,37.775 h0.5 r270
  text "LED1" at 0.45,33.175 h0.5
  text "SDI" at 9.25,32.975 h0.5
  text "CoaX / Press" at 29.95,32.4 h0.5
  text "LED0" at 1.525,32.375 h0.5
  text "SATA" at 35.425,32.325 h0.5 r90
  text "JTAG" at 2.125,18.375 h0.5
  text "P3V3" at 32.15,14.45 h0.5 r90
  text "PWR_GOOD" at 4.85,14.325 h0.5 r90
  text "RS485" at 37.375,13.75 h0.5 r90
  text "SPEKTROP2" at 27.404,12.012 h0.5
  text "PROC_BRD_V1" at 27.404,11.252 h0.5
  text "25/01/2018" at 27.404,10.326 h0.5
  text "P1V2" at 10.867,9.942 h0.5 r90
  text "P1V8" at 27.95,6.35 h0.5 r90
  text "P1V0" at 15.175,5.45 h0.5
  text "PROG_B" at 17.3,4.325 h0.5
  text "SRST" at 29.7,4.125 h0.5
  text "PWR" at 9.175,3.7 h0.5 r90
  text "JTAG" at 35.95,2.825 h0.5 r90
  text "P12V0" at 10.203,0.847 h0.5 r90
  text "BOOT" at 35.95,0.6 h0.5 r90
  text "TOP" at 33.575,0.275 h0.5 r90
  text ".Layer_Name" at 57.89,-13.952 h1.91 r45
Bottom Overlay:
  lines w0.254: 41.5,13.95 41.5,14
  text "BTM" at 32.675,5.3 h0.5 r90
  text ".Layer_Name" at 118.446,1.005 h1.91 r45
Top Paste:
  text ".Layer_Name" at 57.89,-13.952 h1.91 r45
Bottom Paste:
  text ".Layer_Name" at 117.018,-0.424 h1.91 r45
Top Solder:
  region: 7.5,19.75 7.5,19.525 7.825,19.525 7.825,19.75
  region: 6.5,6.825 6.5,7.075 6.925,7.075 6.925,6.825
  region: 1.15,23.662 1.15,23.362 1.525,23.423 1.525,23.623
  region: 1.15,24.187 1.15,23.887 1.525,23.948 1.525,24.148
  region: 36.05,16.15 36.05,15.875 36.25,15.875 36.25,16.25
  text ".Layer_Name" at 57.89,-13.952 h1.91 r45
Bottom Solder:
  text ".Layer_Name" at 117.016,-0.371 h1.91 r45
Mechanical 1:
  drawing of 903 lines, arcs and shapes, not listed
  text "Layer" at 63.665,84.54 h1.52
  text "Name" at 74.076,84.54 h1.52
  text "Material" at 97.692,84.54 h1.52
  text "Thickness" at 119.53,84.54 h1.52
  text "Constant" at 136.036,84.54 h1.52
  text "Board Layer Stack" at 150.51,84.54 h1.52
  text "Board Layer Stack" at 178.95,84.54 h1.52
  text "1" at 63.665,81.492 h1.52
  text "Top Overlay" at 74.076,81.492 h1.52
  text "2" at 63.665,78.444 h1.52
  text "Top Solder" at 74.076,78.444 h1.52
  text "Solder Resist" at 97.692,78.444 h1.52
  text "0.010mm" at 119.53,78.444 h1.52
  text "3.5" at 136.036,78.444 h1.52
  text "3" at 63.665,75.396 h1.52
  text "TOP" at 74.076,75.396 h1.52
  text "Copper" at 97.692,75.396 h1.52
  text "0.053mm" at 119.53,75.396 h1.52
  text "4" at 63.665,72.348 h1.52
  text "Dielectric 1" at 74.076,72.348 h1.52
  text "FR-4" at 97.692,72.348 h1.52
  text "0.110mm" at 119.53,72.348 h1.52
  text "4.2" at 136.036,72.348 h1.52
  text "5" at 63.665,69.3 h1.52
  text "L1-GND" at 74.076,69.3 h1.52
  text "Copper" at 97.692,69.3 h1.52
  text "0.018mm" at 119.53,69.3 h1.52
  text "6" at 63.665,66.252 h1.52
  text "Dielectric 3" at 74.076,66.252 h1.52
  text "0.300mm" at 119.53,66.252 h1.52
  text "4.2" at 136.036,66.252 h1.52
  text "7" at 63.665,63.204 h1.52
  text "L2" at 74.076,63.204 h1.52
  text "Copper" at 97.692,63.204 h1.52
  text "0.018mm" at 119.53,63.204 h1.52
  text "8" at 63.665,60.156 h1.52
  text "Dielectric 6" at 74.076,60.156 h1.52
  text "0.110mm" at 119.53,60.156 h1.52
  text "4.2" at 136.036,60.156 h1.52
  text "9" at 63.665,57.108 h1.52
  text "L3-1V8" at 74.076,57.108 h1.52
  text "Copper" at 97.692,57.108 h1.52
  text "0.035mm" at 119.53,57.108 h1.52
  text "10" at 63.665,54.06 h1.52
  text "Dielectric 5" at 74.076,54.06 h1.52
  text "0.300mm" at 119.53,54.06 h1.52
  text "4.2" at 136.036,54.06 h1.52
  text "11" at 63.665,51.012 h1.52
  text "L4-PWR" at 74.076,51.012 h1.52
  text "Copper" at 97.692,51.012 h1.52
  text "0.035mm" at 119.53,51.012 h1.52
  text "12" at 63.665,47.964 h1.52
  text "Dielectric 4" at 74.076,47.964 h1.52
  text "0.110mm" at 119.53,47.964 h1.52
  text "4.2" at 136.036,47.964 h1.52
  text "13" at 63.665,44.916 h1.52
  text "L5" at 74.076,44.916 h1.52
  text "Copper" at 97.692,44.916 h1.52
  text "0.018mm" at 119.53,44.916 h1.52
  text "14" at 63.665,41.868 h1.52
  text "Dielectric 7" at 74.076,41.868 h1.52
  text "0.300mm" at 119.53,41.868 h1.52
  text "4.2" at 136.036,41.868 h1.52
  text "15" at 63.665,38.82 h1.52
  text "L6-P2V5" at 74.076,38.82 h1.52
  text "Copper" at 97.692,38.82 h1.52
  text "0.018mm" at 119.53,38.82 h1.52
  text "16" at 63.665,35.772 h1.52
  text "Dielectric 8" at 74.076,35.772 h1.52
  text "0.110mm" at 119.53,35.772 h1.52
  text "4.2" at 136.036,35.772 h1.52
  text "17" at 63.665,32.724 h1.52
  text "BTM" at 74.076,32.724 h1.52
  text "Copper" at 97.692,32.724 h1.52
  text "0.053mm" at 119.53,32.724 h1.52
  text "18" at 63.665,29.676 h1.52
  text "Bottom Solder" at 74.076,29.676 h1.52
  text "Solder Resist" at 97.692,29.676 h1.52
  text "0.010mm" at 119.53,29.676 h1.52
  text "3.5" at 136.036,29.676 h1.52
  text "19" at 63.665,26.628 h1.52
  text "Bottom Overlay" at 74.076,26.628 h1.52
Mechanical 5:
  lines w0.254: 65.828,-19.985 65.828,-14.905 ; 70.908,-19.985 70.908,-14.905 ; 75.988,-19.985 75.988,-14.905 ; 81.068,-19.985 81.068,-14.905 ; 86.148,-19.985 86.148,-14.905 ; 89.525,-19.955 89.525,-14.875 ; 93.75,-19.9 93.75,-14.975 ; 60.748,-19.985 60.748,-14.905 97.225,-14.905 97.225,-19.985 60.748,-19.985
Mechanical 6:
  lines w0.254: 62.068,9.995 113.6,9.995 ; 62.068,13.17 113.475,13.17 ; 62.068,16.345 113.475,16.345 ; 76.038,6.82 76.038,19.52 ; 62.068,6.82 113.475,6.82 113.475,19.52 62.068,19.52 62.068,6.82
  text "Number" at 63.338,16.98 h1.91
  text "SPEKTROP2_PROC_BRD_V1" at 77.308,16.98 h1.91
  text "Drawn By" at 63.338,13.805 h1.91
  text "P. ZDUNEK" at 77.308,13.805 h1.91
  text "DATE" at 63.338,10.63 h1.91
  text "01.2018" at 77.308,10.63 h1.91
  text "MOD." at 63.338,7.455 h1.91
  text "-" at 77.308,7.455 h1.91
  text "Print Date" at 63.338,4.28 h1.27
  text ".Print_Date" at 78.578,4.28 h1.27
  text ".Print_Time" at 91.278,4.28 h1.27
  text ".Print_Scale" at 63.338,1.74 h1.27
Notvisible:
  lines w0.254: 60.748,-13.635 102.3,-13.635 ; 63.923,-13.635 71.543,-6.015 ; 69.003,-13.635 76.623,-6.015 ; 74.083,-13.635 81.703,-6.015 ; 79.163,-13.635 86.783,-6.015 ; 84.243,-13.635 91.863,-6.015 ; 89.323,-13.635 96.943,-6.015 ; 94.648,-13.56 102.268,-5.94
Board Outline:
  lines w0.125: 40,42 ccw(c40,42) 40,42 ; 40,42 cw(c40,40) 42,40 42,2.001 cw(c39.999,2.001) 39.999,0 2,0 cw(c2,2) 0,2 0,40 cw(c2,40) 2,42 40,42

## Dimensions
42,2.001 to 0,0 on Mechanical 1
2.025,42 to 0.075,0 on Mechanical 1
2,2 to 2,40 on Mechanical 1
2,2 to 40,2 on Mechanical 1

## Text inside footprints (layer, text, board x,y; h text height)
IC4: Mechanical 14 "E" at 18.462,9.01 h0.4 r90; Mechanical 14 "D" at 17.192,9.01 h0.4 r90; Mechanical 14 "C" at 15.922,9.01 h0.4 r90; Mechanical 14 "B" at 14.652,9.01 h0.4 r90; Mechanical 14 "A" at 13.382,9.01 h0.4 r90; Mechanical 14 "1" at 12.231,7.867 h0.4 r90; Mechanical 14 "2" at 12.231,6.597 h0.4 r90; Mechanical 14 "3" at 12.231,5.327 h0.4 r90; Mechanical 14 "4" at 12.231,4.057 h0.4 r90; Mechanical 14 "5" at 12.231,2.787 h0.4 r90
IC5: Mechanical 14 "E" at 30.427,8.97 h0.4 r90; Mechanical 14 "D" at 29.157,8.97 h0.4 r90; Mechanical 14 "C" at 27.887,8.97 h0.4 r90; Mechanical 14 "B" at 26.617,8.97 h0.4 r90; Mechanical 14 "A" at 25.347,8.97 h0.4 r90; Mechanical 14 "1" at 24.196,7.827 h0.4 r90; Mechanical 14 "2" at 24.196,6.557 h0.4 r90; Mechanical 14 "3" at 24.196,5.287 h0.4 r90; Mechanical 14 "4" at 24.196,4.017 h0.4 r90; Mechanical 14 "5" at 24.196,2.747 h0.4 r90
IC10: Mechanical 14 "17" at 16.299,12.6 h0.6 r270; Mechanical 14 "22" at 12.299,12.6 h0.6 r270; Mechanical 14 "21" at 13.099,12.6 h0.6 r270; Mechanical 14 "20" at 13.899,12.6 h0.6 r270; Mechanical 14 "19" at 14.699,12.6 h0.6 r270; Mechanical 14 "18" at 15.499,12.6 h0.6 r270; Mechanical 14 "1" at 29.099,12.6 h0.6 r270; Mechanical 14 "6" at 25.099,12.6 h0.6 r270; Mechanical 14 "7" at 24.299,12.6 h0.6 r270; Mechanical 14 "8" at 23.499,12.6 h0.6 r270; Mechanical 14 "9" at 22.699,12.6 h0.6 r270; Mechanical 14 "10" at 21.899,12.6 h0.6 r270; Mechanical 14 "11" at 21.099,12.6 h0.6 r270; Mechanical 14 "12" at 20.299,12.6 h0.6 r270; Mechanical 14 "13" at 19.499,12.6 h0.6 r270; Mechanical 14 "14" at 18.699,12.6 h0.6 r270; Mechanical 14 "15" at 17.899,12.6 h0.6 r270; Mechanical 14 "16" at 17.099,12.6 h0.6 r270; Mechanical 14 "5" at 25.899,12.6 h0.6 r270; Mechanical 14 "4" at 26.699,12.6 h0.6 r270; Mechanical 14 "3" at 27.499,12.6 h0.6 r270; Mechanical 14 "2" at 28.299,12.6 h0.6 r270; Mechanical 14 "A" at 31.399,14.5 h0.6 r180; Mechanical 14 "B" at 31.399,15.3 h0.6 r180; Mechanical 14 "C" at 31.399,16.1 h0.6 r180; Mechanical 14 "D" at 31.399,16.9 h0.6 r180; Mechanical 14 "E" at 31.399,17.7 h0.6 r180; Mechanical 14 "F" at 31.399,18.5 h0.6 r180; Mechanical 14 "G" at 31.399,19.3 h0.6 r180; Mechanical 14 "H" at 31.399,20.1 h0.6 r180; Mechanical 14 "J" at 31.399,20.9 h0.6 r180; Mechanical 14 "K" at 31.399,21.7 h0.6 r180; Mechanical 14 "L" at 31.399,22.5 h0.6 r180; Mechanical 14 "M" at 31.399,23.3 h0.6 r180; Mechanical 14 "N" at 31.399,24.1 h0.6 r180; Mechanical 14 "P" at 31.399,24.9 h0.6 r180; Mechanical 14 "R" at 31.399,25.7 h0.6 r180; Mechanical 14 "T" at 31.399,26.5 h0.6 r180; Mechanical 14 "U" at 31.399,27.3 h0.6 r180; Mechanical 14 "V" at 31.399,28.1 h0.6 r180; Mechanical 14 "W" at 31.399,28.9 h0.6 r180; Mechanical 14 "Y" at 31.399,29.7 h0.6 r180; Mechanical 14 "AA" at 31.899,30.5 h0.6 r180; Mechanical 14 "AB" at 31.899,31.3 h0.6 r180
J8: Mechanical 14 "1" at 10.302,30.637 h1 r270; Mechanical 14 "2" at 2.702,30.52 h1 r270; Mechanical 14 "79" at 10.3,10.148 h1 r270; Mechanical 14 "80" at 2.7,10.184 h1 r270; Bottom Overlay "1" at 10.275,31.9 h1
J9: Mechanical 14 "1" at 38.302,30.637 h1 r270; Mechanical 14 "2" at 30.702,30.52 h1 r270; Mechanical 14 "79" at 38.3,10.148 h1 r270; Mechanical 14 "80" at 30.7,10.184 h1 r270; Bottom Overlay "2" at 30.702,30.52 h1 r270; Bottom Overlay "1" at 40.206,30.116 h1 r270
J10: Notvisible "3.0" at 9.5,47.624 h1.2 r270; Notvisible "2.5" at 9.5,45.124 h1.2 r270